# Allegro board TDI_KU5P_QSFP28_CXP_V001-20240805_1841.brd
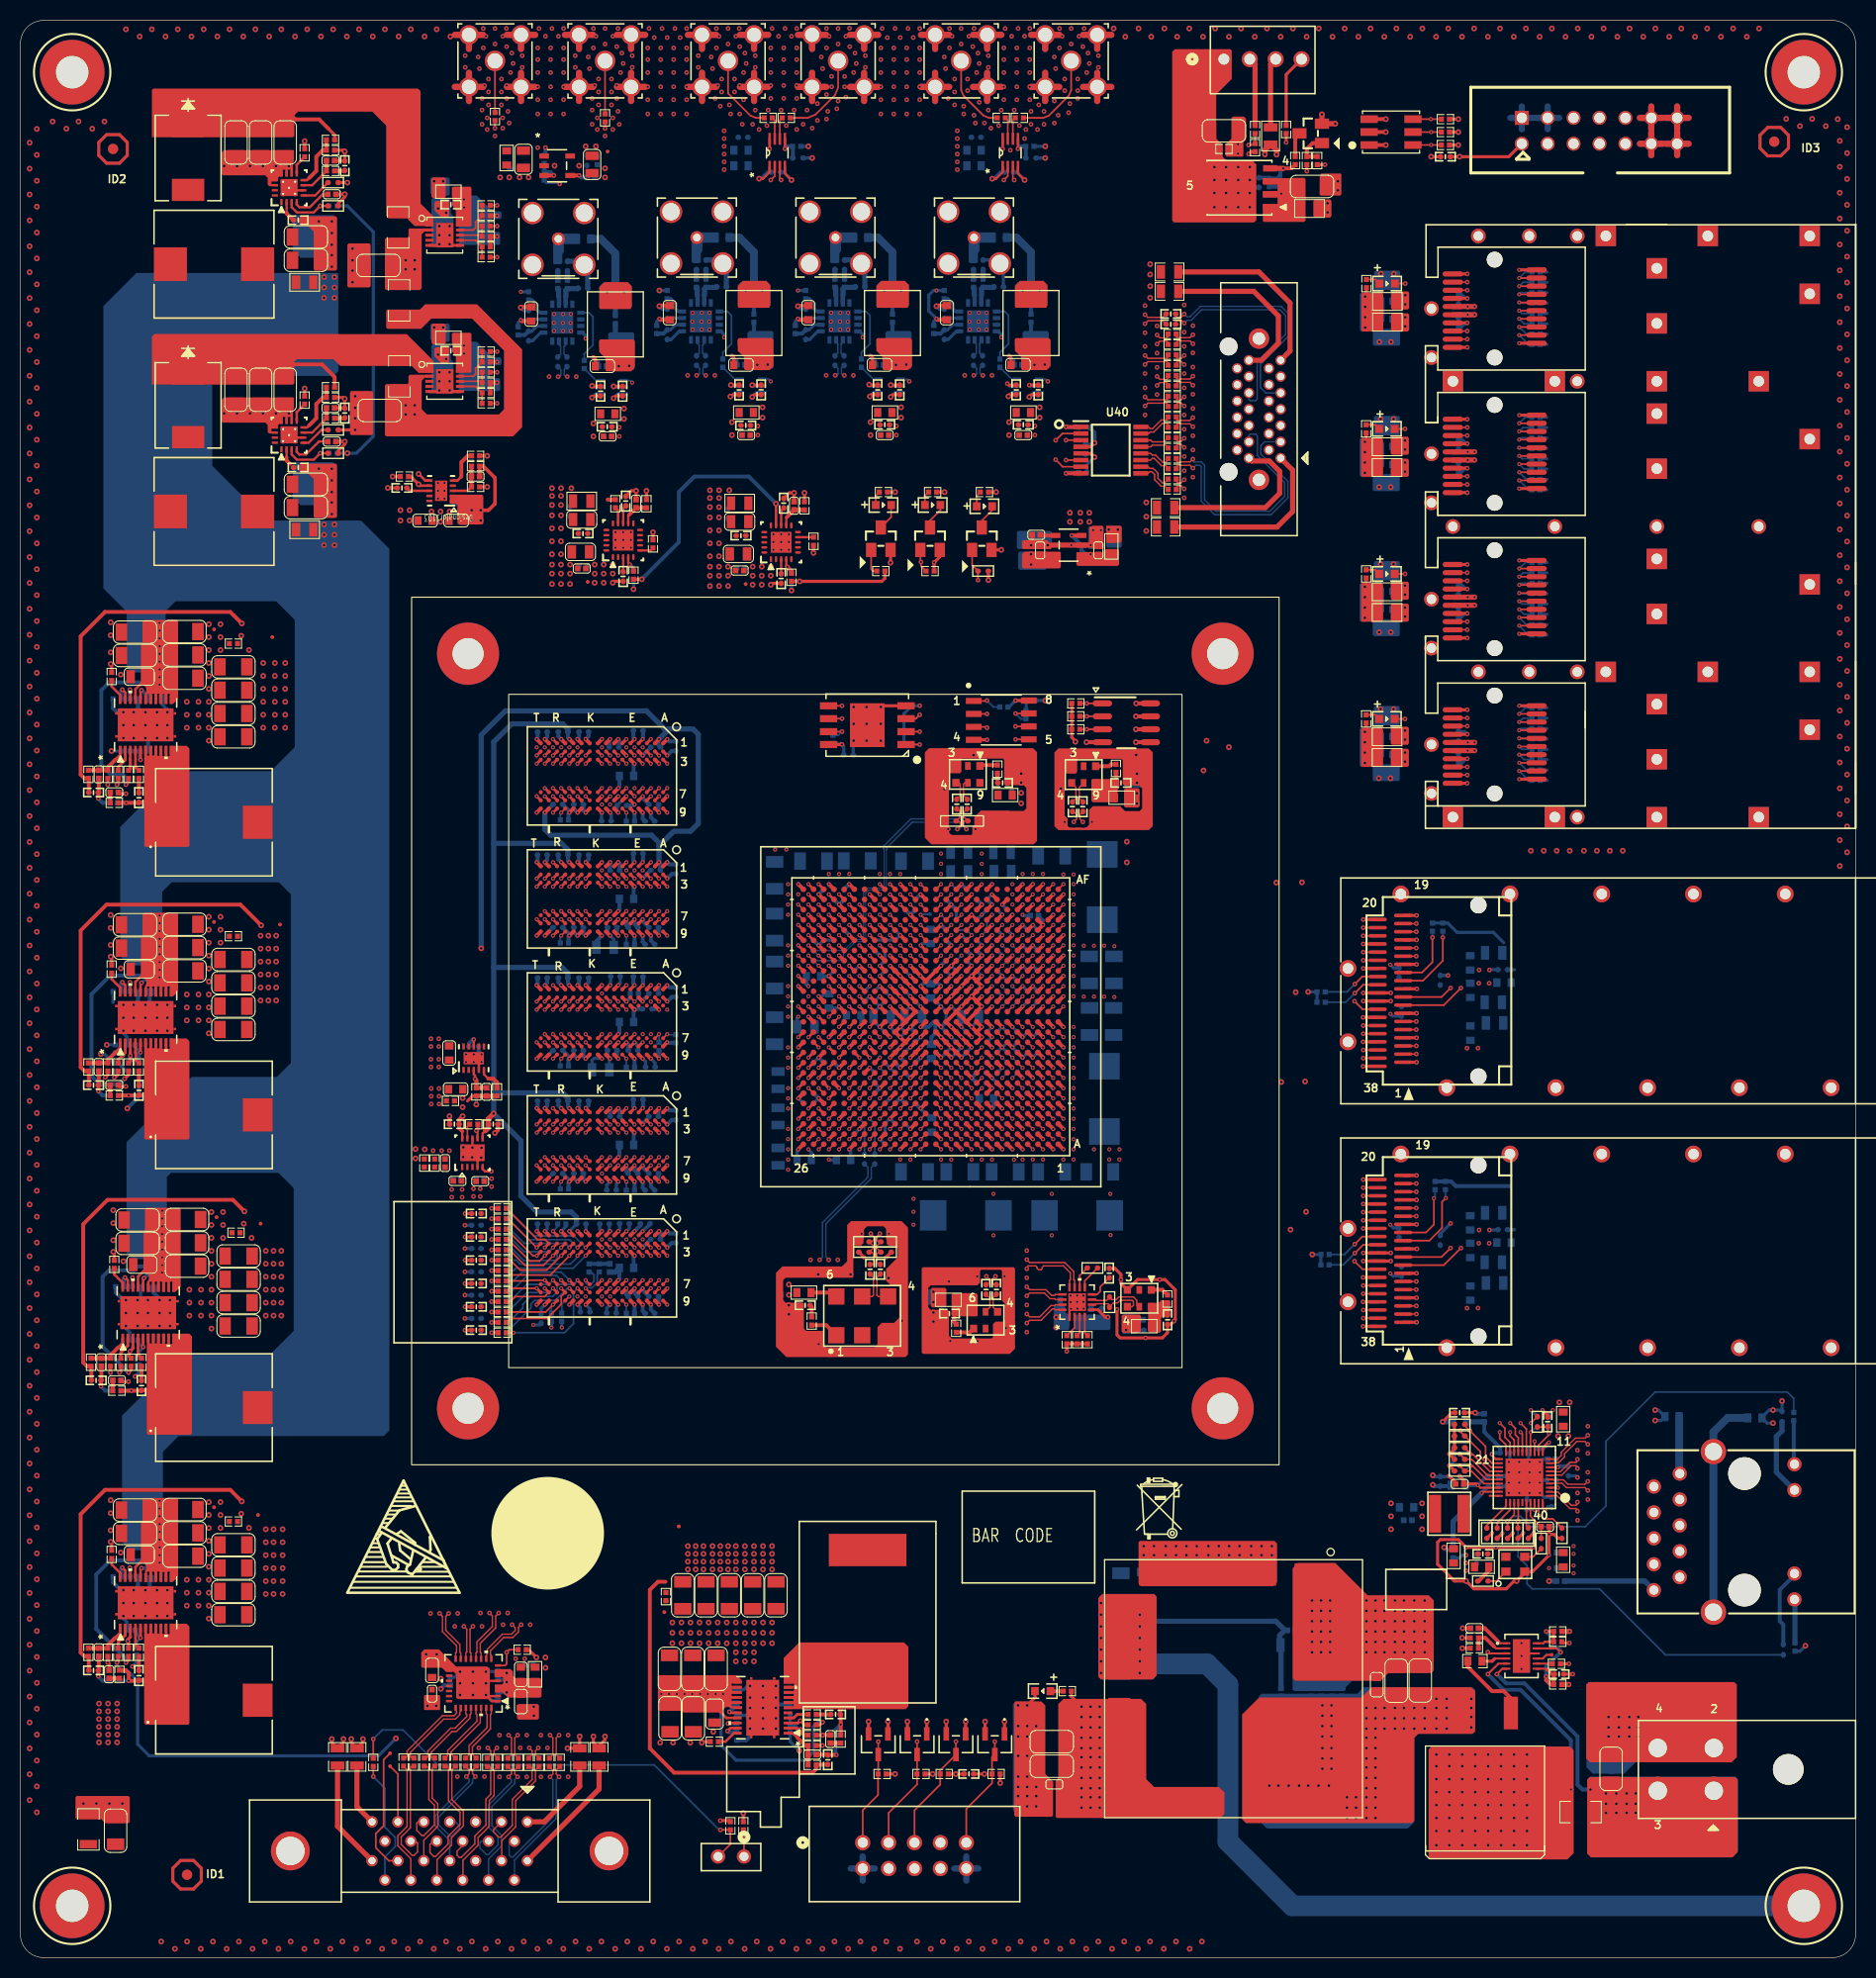
[diagram p0: board, top side]
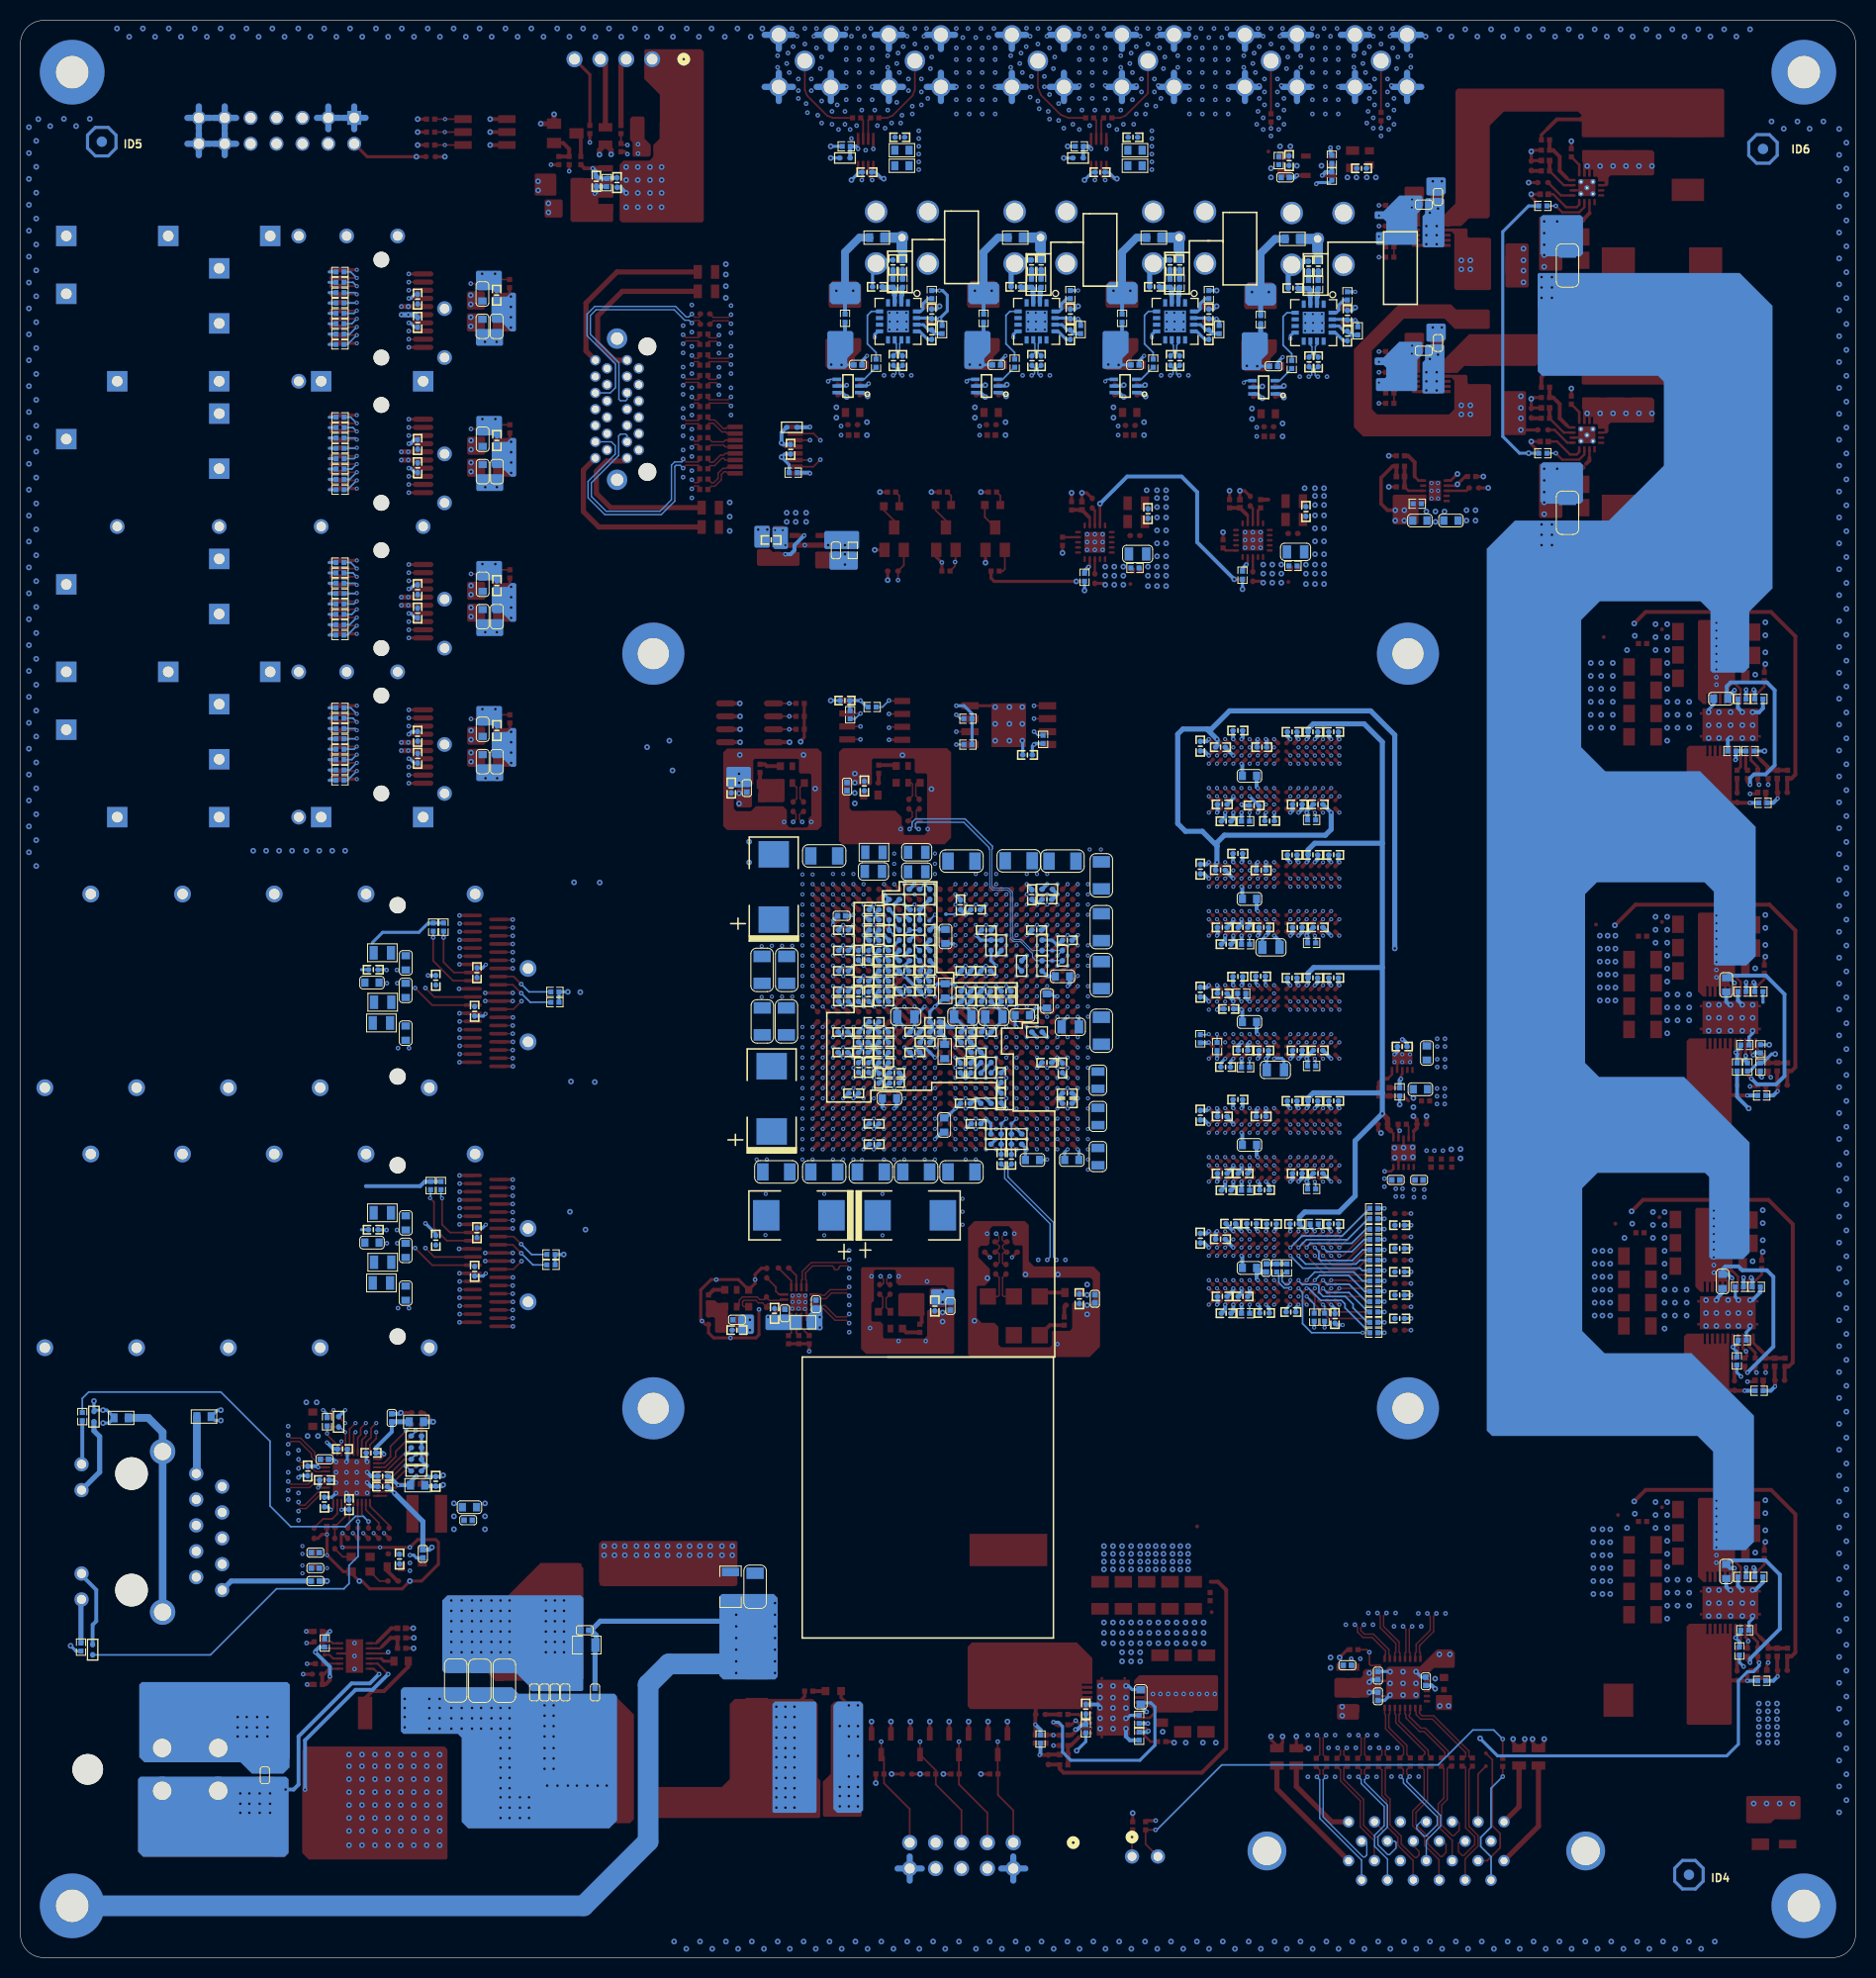
[diagram p1: board, bottom side, seen from below]

Outline 180 x 190 mm; copper layers: TOP, GND02, ART03, GND04, ART05, GND06, POWER07, POWER08, GND09, ART10, GND11, ART12, GND13, BOTTOM. Coordinates in mm from the lower left corner of the outline.
Outline path: 0,187.71 0,2.29 arc(0.67,0.67) 2.29,0 177.71,0 arc(179.33,0.67) 180,2.29 180,187.71 arc(179.33,189.33) 177.71,190 2.29,190 arc(0.67,189.33) 0,187.71

## Design rules (mm)
net group 1: nets CHA_MGTH_224_CLK0_N CHA_MGTH_224_CLK0_P
net group 2: nets CHA_MGTH_226_CLK1_N CHA_MGTH_226_CLK1_P
net group 3: nets RF_FPS_TRIGGER_N_C RF_FPS_TRIGGER_P_C
net group 6: nets TO_DATA_ACQ_1_CLK_N TO_DATA_ACQ_1_CLK_P
net group 100M_: nets 100M_N 100M_P
net group 156M25_: nets 156M25_N 156M25_P
net group CHA_MGTH224_RX2: nets CHA_MGTH224_RXN2 CHA_MGTH224_RXP2
net group CHA_MGTH224_RX3: nets CHA_MGTH224_RXN3 CHA_MGTH224_RXP3
net group CHA_MGTH_224_CLK0_: nets N26672572 N26672574
net group CHA_MGTH_225_CLK0_: nets N24547051 N24547053
net group CHA_MGTH_226_CLK0_: nets CHA_MGTH_226_CLK0_N CHA_MGTH_226_CLK0_P
net group CHA_MGTH_226_CLK1_: nets N29065928 N29065949
net group CHA_MGTH_227_CLK0_: nets N25151346 N25151349
net group CHA_QSFP0_RX0_: nets CHA_QSFP0_RX0_N CHA_QSFP0_RX0_P
net group CHA_QSFP0_RX1_: nets CHA_QSFP0_RX1_N CHA_QSFP0_RX1_P
net group CHA_QSFP0_RX2_: nets CHA_QSFP0_RX2_N CHA_QSFP0_RX2_P
net group CHA_QSFP0_RX3_: nets CHA_QSFP0_RX3_N CHA_QSFP0_RX3_P
net group CHA_QSFP0_TX0_: nets CHA_QSFP0_TX0_N CHA_QSFP0_TX0_P
net group CHA_QSFP0_TX1_: nets CHA_QSFP0_TX1_N CHA_QSFP0_TX1_P
net group CHA_QSFP0_TX2_: nets CHA_QSFP0_TX2_N CHA_QSFP0_TX2_P
net group CHA_QSFP0_TX3_: nets CHA_QSFP0_TX3_N CHA_QSFP0_TX3_P
net group CHA_QSFP1_RX0_: nets CHA_QSFP1_RX0_N CHA_QSFP1_RX0_P
net group CHA_QSFP1_RX1_: nets CHA_QSFP1_RX1_N CHA_QSFP1_RX1_P
net group CHA_QSFP1_RX2_: nets CHA_QSFP1_RX2_N CHA_QSFP1_RX2_P
net group CHA_QSFP1_RX3_: nets CHA_QSFP1_RX3_N CHA_QSFP1_RX3_P
net group CHA_QSFP1_TX0_: nets CHA_QSFP1_TX0_N CHA_QSFP1_TX0_P
net group CHA_QSFP1_TX1_: nets CHA_QSFP1_TX1_N CHA_QSFP1_TX1_P
net group CHA_QSFP1_TX2_: nets CHA_QSFP1_TX2_N CHA_QSFP1_TX2_P
net group CHA_QSFP1_TX3_: nets CHA_QSFP1_TX3_N CHA_QSFP1_TX3_P
net group CHA_QSPI_FLASH_CLK: nets CHA_QSPI_FLASH_CLK N251395121
net group CHA_SFP+_0_RXD_: nets CHA_SFP+_0_RXD_N CHA_SFP+_0_RXD_P
net group CHA_SFP+_0_TXD_: nets CHA_SFP+_0_TXD_N CHA_SFP+_0_TXD_P
net group CHA_SFP+_1_RXD_: nets CHA_SFP+_1_RXD_N CHA_SFP+_1_RXD_P
net group CHA_SFP+_1_TXD_: nets CHA_SFP+_1_TXD_N CHA_SFP+_1_TXD_P
net group CHA_SFP+_2_RXD_: nets CHA_SFP+_2_RXD_N CHA_SFP+_2_RXD_P
net group CHA_SFP+_2_TXD_: nets CHA_SFP+_2_TXD_N CHA_SFP+_2_TXD_P
net group CHA_SFP+_3_RXD_: nets CHA_SFP+_3_RXD_N CHA_SFP+_3_RXD_P
net group CHA_SFP+_3_TXD_: nets CHA_SFP+_3_TXD_N CHA_SFP+_3_TXD_P
net group DIFFPAIR0: nets N25440425 N25440426
net group DIFFPAIR10: nets N25442778 N25442780
net group DP_CHA_MGTH_225_CLK0: nets CHA_MGTH_225_CLK0_N CHA_MGTH_225_CLK0_P
net group DP_CHA_MGTH_227_CLK0: nets CHA_MGTH_227_CLK0_N CHA_MGTH_227_CLK0_P
net group DP_DDR4_200M: nets DDR4_200M_N DDR4_200M_P
net group DP_N2544693: nets N25446933 N25446935
net group DP_N2544723: nets N25447233 N25447235
net group DP_N28609886: nets N28609886 N28609924
net group DP_N28610050: nets N28610050 N28610073
net group DP_N28610104: nets N28610104 N28610127
net group DP_N28711150: nets N28711150 N28711180
net group LAN_MDI0_: nets LAN_MDI0_N LAN_MDI0_P
net group LAN_MDI1_: nets LAN_MDI1_N LAN_MDI1_P
net group LAN_MDI2_: nets LAN_MDI2_N LAN_MDI2_P
net group LAN_MDI3_: nets LAN_MDI3_N LAN_MDI3_P
net group RF_FPS_TRIGGER__C: nets N28609975 N28609998
net group RF_MOD_IN_FIXED__C: nets RF_MOD_IN_FIXED_N_C RF_MOD_IN_FIXED_P_C
net group RF_MOD_IN_VARIABLE__C: nets RF_MOD_IN_VARIABLE_N_C RF_MOD_IN_VARIABLE_P_C
net group RF_SYNC_N: nets N28609722 RF_SYNC_N
net group RF_SYNC_P: nets N28609702 RF_SYNC_P
net group TIMING_SPI_CLK__C: nets TIMING_SPI_CLK_N_C TIMING_SPI_CLK_P_C
net group TIMING_SPI_CSN_N: nets N28609682 TIMING_SPI_CSN_N
net group TIMING_SPI_CSN_P: nets N28609662 TIMING_SPI_CSN_P
net group TIMING_SPI_MISO_N: nets N28609780 TIMING_SPI_MISO_N
net group TIMING_SPI_MISO_P: nets N28609760 TIMING_SPI_MISO_P
net group TIMING_SPI_MOSI_N: nets N28609642 TIMING_SPI_MOSI_N
net group TIMING_SPI_MOSI_P: nets N28609622 TIMING_SPI_MOSI_P
net group TO_CAMERA_CLK_N: nets N28887978 TO_CAMERA_CLK_N
net group TO_CAMERA_CLK_P: nets N28887983 TO_CAMERA_CLK_P
net group TO_CAMERA_LVDS0_N: nets N28887982 TO_CAMERA_LVDS0_N
net group TO_CAMERA_LVDS0_P: nets N28887985 TO_CAMERA_LVDS0_P
net group TO_CAMERA_LVDS1_N: nets N28887976 TO_CAMERA_LVDS1_N
net group TO_CAMERA_LVDS1_P: nets N28887981 TO_CAMERA_LVDS1_P
net group TO_CAMERA_LVDS2_N: nets N28887987 TO_CAMERA_LVDS2_N
net group TO_CAMERA_LVDS2_P: nets N28887977 TO_CAMERA_LVDS2_P
net group TO_CAMERA_LVDS3_N: nets N28887988 TO_CAMERA_LVDS3_N
net group TO_CAMERA_LVDS3_P: nets N28887979 TO_CAMERA_LVDS3_P
net group TO_CAMERA_RSV0_N: nets N28922983 TO_CAMERA_RSV0_N
net group TO_CAMERA_RSV0_P: nets N28922987 TO_CAMERA_RSV0_P
net group TO_CAMERA_RSV1_N: nets N28922984 TO_CAMERA_RSV1_N
net group TO_CAMERA_RSV1_P: nets N28922988 TO_CAMERA_RSV1_P
net group TO_CAMERA_RSV2_N: nets N28922985 TO_CAMERA_RSV2_N
net group TO_CAMERA_RSV2_P: nets N28922981 TO_CAMERA_RSV2_P
net group TO_CAMERA_RSV3_N: nets N28922986 TO_CAMERA_RSV3_N
net group TO_CAMERA_RSV3_P: nets N28922982 TO_CAMERA_RSV3_P
net group TO_DATA_ACQ_1_CLK_: nets N24672320 N24672321
net group 12: nets VCC12V_IN_CON
net group 39OHM: nets CHA_FPGA_DDR4_C1_RESET
net group CLK: nets CLK_SEL
net group PWR: nets 1V2_ROVP 1V5_ROVP 1V8_ROVP 3V3_ROVP CHA_24V_1 CHA_24V_2 CHA_AGND CHA_DDR4_C1_VREF CHA_FPGA_POR_OVERRIDE CHA_MGTAVCC_GOOD CHA_MGTAVTT_GOOD CHA_VCCINT_GOOD DVDD10 DVDDRGMII GND_EARTH GND_FPGA_LAN VCC_1V5_GOOD VCC_1V8_GOOD VCC_3V3_GOOD VCCO_GOOD VREG_1 VREG_2 VREG_3 VREG_4 VREG_5

## Placement (name value [footprint] x y rotation side)
C1  0.1UF  [C0402_BGA]  83.8 86.31 90 bottom
C2  0.1UF  [C0402_BGA]  90.33 91.78 0 bottom
C3  0.47UF  [C0402_BGA]  90.33 90.78 0 bottom
C4  47uF  [C0805]  74.31 78.56 90 bottom
C5  22uF  [C0603]  80.74 78.23 0 bottom
C6  0.47UF  [C0402_BGA]  92.27 102.78 0 bottom
C7  0.1UF  [C0402_BGA]  81.22 117.96 0 bottom
C8  0.1UF  [C0402_BGA]  93.03 18.01 0 top
C9  22uF  [C0603]  89.4 81.66 270 bottom
C10  4.7UF  [C0402_BGA]  86.8 87.25 90 bottom
C11  0.47UF  [C0402_BGA]  87.8 87.25 90 bottom
C12  22uF  [C0603]  89.27 100.15 90 bottom
C13  4.7UF  [C0402_BGA]  86.33 102.78 180 bottom
C14  0.47UF  [C0402_BGA]  87.8 103.25 90 bottom
C15  0.1UF  [C0402_BGA]  99.13 123.29 0 bottom
C16  22uF  [C0603]  94.76 84.28 0 bottom
C17  4.7UF  [C0402_BGA]  87.33 83.78 180 bottom
C18  0.47UF  [C0402_BGA]  94.27 86.78 0 bottom
C19  0.1UF  [C0402_BGA]  139.77 176.63 180 top
C20  0.1UF  [C0402_BGA]  94.27 85.78 0 bottom
C21  47uF  [C0805]  92.09 108.41 180 bottom
C22  22uF  [C0603]  76.88 78.23 180 bottom
C23  4.7UF  [C0402_BGA]  83.8 84.31 270 bottom
C24  0.47UF  [C0402_BGA]  86.27 81.78 0 bottom
C25  0.1UF  [C0402_BGA]  84.34 67.51 270 top
C26  0.1UF  [C0402_BGA]  83.33 67.51 270 top
C27  0.1UF  [C0402_BGA]  83.8 78.31 90 bottom
C28  0.1UF  [C0402_BGA]  82.8 78.31 90 bottom
C29  47uF  [C0805]  74.31 86.06 90 bottom
C30  22uF  [C0603]  79.31 93.83 90 bottom
C31  4.7UF  [C0402_BGA]  77.33 84.78 180 bottom
C32  4.7UF  [C0402_BGA]  79.33 87.78 180 bottom
C33  0.47UF  [C0402_BGA]  77.33 99.78 180 bottom
C34  47uF  [C0805]  77.03 91.29 0 bottom
C35  22uF  [C0603]  81.73 92.43 0 bottom
C36  4.7UF  [C0402_BGA]  80.33 100.78 180 bottom
C37  4.7UF  [C0402_BGA]  85.27 100.78 0 bottom
C38  0.47UF  [C0402_BGA]  79.33 103.78 180 bottom
C39  0.1UF  [C0402_BGA]  91.84 113.13 270 top
C40  0.1UF  [C0402_BGA]  92.85 113.13 270 top
C41  47uF  [C0805]  74.31 82.5 270 bottom
C42  22uF  [C0603]  77.79 96.24 180 bottom
C43  4.7UF  [C0402_BGA]  80.8 104.25 90 bottom
C44  4.7UF  [C0402_BGA]  77.8 87.25 90 bottom
C45  0.47UF  [C0402_BGA]  77.33 83.78 180 bottom
C46  0.1UF  [C0402_BGA]  103.19 112.88 90 top
C47  0.1UF  [C0402_BGA]  104.21 112.88 90 top
C48  0.1UF  [C0402_BGA]  96.8 98.31 90 bottom
C49  0.1UF  [C0402_BGA]  97.8 98.31 90 bottom
C50  0.1UF  [C0402_BGA]  96.8 87.31 270 bottom
C51  0.1UF  [C0402_BGA]  96.8 94.25 90 bottom
C52  0.1UF  [C0402_BGA]  97.8 87.31 270 bottom
C53  0.1UF  [C0402_BGA]  97.8 94.25 90 bottom
C54  0.1UF  [C0402_BGA]  95.72 65.53 270 top
C55  0.1UF  [C0402_BGA]  94.71 65.53 270 top
C56  470uF  [CT7343]  92.73 72.8 180 bottom
C57  470uF  [CT7343]  103.65 72.8 0 bottom
C58  470uF  [CT7343]  106.11 105 90 bottom
C59  470uF  [CT7343]  106.31 84.23 90 bottom
C60  100UF  [C1206]  105.86 77.06 180 bottom
C61  100UF  [C1206]  73.98 96.37 90 bottom
C62  100UF  [C1206]  104.84 96.88 270 bottom
C63  100UF  [C1206]  107.25 96.88 270 bottom
C64  100UF  [C1206]  73.98 90.91 270 bottom
C65  100UF  [C1206]  87.7 77.06 180 bottom
C66  100UF  [C1206]  92.14 77.06 0 bottom
C67  47uF  [C0805]  93.16 92.28 180 bottom
C68  47uF  [C0805]  87.57 92.28 0 bottom
C69  4.7UF  [C0402_BGA]  86.27 88.78 0 bottom
C70  4.7UF  [C0402_BGA]  92.27 88.78 180 bottom
C71  4.7UF  [C0402_BGA]  91.27 94.78 180 bottom
C72  4.7UF  [C0402_BGA]  87.27 90.78 0 bottom
C73  4.7UF  [C0402_BGA]  93.33 96.78 180 bottom
C74  4.7UF  [C0402_BGA]  87.27 94.78 180 bottom
C75  4.7UF  [C0402_BGA]  87.27 93.78 0 bottom
C76  4.7UF  [C0402_BGA]  85.33 94.78 180 bottom
C77  47uF  [C0805]  92.09 106.5 180 bottom
C78  0.47UF  [C0402_BGA]  92.27 90.78 0 bottom
C79  0.47UF  [C0402_BGA]  85.33 96.78 180 bottom
C80  0.47UF  [C0402_BGA]  91.27 89.78 0 bottom
C81  0.47UF  [C0402_BGA]  87.27 96.78 180 bottom
C82  0.47UF  [C0402_BGA]  91.27 96.78 0 bottom
C83  0.47UF  [C0402_BGA]  87.27 89.78 0 bottom
C84  0.47UF  [C0402_BGA]  93.27 94.78 180 bottom
C85  0.47UF  [C0402_BGA]  91.33 95.78 0 bottom
C86  47uF  [C0805]  84.52 92.28 0 bottom
C87  47uF  [C0805]  96.33 106.53 180 bottom
C88  4.7UF  [C0402_BGA]  85.27 90.78 0 bottom
C89  4.7UF  [C0402_BGA]  83.33 94.78 180 bottom
C90  4.7UF  [C0402_BGA]  85.27 93.78 0 bottom
C91  4.7UF  [C0402_BGA]  83.33 93.78 180 bottom
C92  4.7UF  [C0402_BGA]  99.27 100.78 0 bottom
C93  4.7UF  [C0402_BGA]  99.27 98.78 0 bottom
C94  4.7UF  [C0402_BGA]  98.26 84.78 0 bottom
C95  4.7UF  [C0402_BGA]  96.27 81.78 0 bottom
C96  4.7UF  [C0402_BGA]  99.27 96.78 0 bottom
C97  0.22UF  [C0402_BGA]  99.33 90.78 180 bottom
C98  0.22UF  [C0402_BGA]  96.27 79.78 180 bottom
C99  0.22UF  [C0402_BGA]  99.33 88.78 180 bottom
C100  0.22UF  [C0402_BGA]  99.27 94.78 180 bottom
C101  0.22UF  [C0402_BGA]  99.27 93.78 180 bottom
C102  100UF  [C1206]  101.16 77.06 0 bottom
C103  100UF  [C1206]  107.23 91.82 270 bottom
C104  100UF  [C1206]  104.87 91.82 270 bottom
C105  100UF  [C1206]  101.16 108.05 180 bottom
C106  100UF  [C1206]  96.59 77.06 180 bottom
C107  10uF  [C0402]  99.46 102.18 0 bottom
C108  4.7UF  [C0402_BGA]  95.33 93.78 180 bottom
C109  4.7UF  [C0402_BGA]  97.27 95.78 0 bottom
C110  4.7UF  [C0402_BGA]  95.33 95.78 180 bottom
C111  4.7UF  [C0402_BGA]  95.33 96.78 180 bottom
C112  4.7UF  [C0402_BGA]  95.33 94.78 180 bottom
C113  4.7UF  [C0402_BGA]  95.33 98.78 180 bottom
C114  4.7UF  [C0402_BGA]  97.33 89.78 0 bottom
C115  4.7UF  [C0402_BGA]  95.33 87.78 180 bottom
C116  4.7UF  [C0402_BGA]  96.27 102.78 0 bottom
C117  4.7UF  [C0402_BGA]  96.27 101.78 0 bottom
C118  0.47UF  [C0402_BGA]  95.33 88.78 180 bottom
C119  0.47UF  [C0402_BGA]  96.27 91.78 0 bottom
C120  0.47UF  [C0402_BGA]  95.33 97.78 180 bottom
C121  0.47UF  [C0402_BGA]  95.33 89.78 180 bottom
C122  0.47UF  [C0402_BGA]  96.27 100.78 0 bottom
C123  0.22UF  [C0402_BGA]  96.27 99.78 180 bottom
C124  0.22UF  [C0402_BGA]  97.27 90.78 180 bottom
C125  0.22UF  [C0402_BGA]  97.33 88.78 180 bottom
C126  0.22UF  [C0402_BGA]  95.8 86.25 90 bottom
C127  0.22UF  [C0402_BGA]  95.33 90.78 0 bottom
C128  100UF  [C1206]  73.98 101.07 270 bottom
C129  100UF  [C1206]  77.79 107.54 0 bottom
C130  100UF  [C1206]  73.98 106.15 90 bottom
C131  100UF  [C1206]  82.08 107.57 180 bottom
C132  100UF  [C1206]  87.7 107.54 0 bottom
C133  4.7UF  [C0402_BGA]  62.3 106.65 180 bottom
C134  0.1UF  [C0402_BGA]  52.72 101.04 0 bottom
C135  47uF  [C0805]  57.34 99.09 0 bottom
C136  22uF  [C0603]  59.45 103.84 0 bottom
C137  4.7UF  [C0402_BGA]  51.2 108.15 180 bottom
C138  4.7UF  [C0402_BGA]  54.75 101.04 0 bottom
C139  0.47UF  [C0402_BGA]  61.74 99.39 0 bottom
C140  0.47UF  [C0402_BGA]  58.05 101.04 180 bottom
C141  0.47UF  [C0402_BGA]  58.31 106.63 180 bottom
C142  0.47UF  [C0402_BGA]  55.26 108.15 0 bottom
C143  68nF  [C0402_BGA]  62.12 101.04 180 bottom
C144  68nF  [C0402_BGA]  64.28 106.76 270 bottom
C145  68nF  [C0402_BGA]  60.59 108.28 180 bottom
C146  68nF  [C0402_BGA]  60.09 101.04 0 bottom
C147  0.1UF  [C0402_BGA]  53.23 108.15 180 bottom
C148  22uF  [C0603]  59.45 115.9 0 bottom
C149  4.7UF  [C0402_BGA]  54.75 113.11 0 bottom
C150  4.7UF  [C0402_BGA]  51.2 120.22 180 bottom
C151  0.47UF  [C0402_BGA]  55.26 120.22 0 bottom
C152  0.47UF  [C0402_BGA]  58.99 113 0 bottom
C153  0.47UF  [C0402_BGA]  58.23 118.72 180 bottom
C154  0.47UF  [C0402_BGA]  61.74 111.46 0 bottom
C155  68nF  [C0402_BGA]  64.28 118.82 270 bottom
C156  68nF  [C0402_BGA]  60.59 120.35 180 bottom
C157  68nF  [C0402_BGA]  62.12 113.11 180 bottom
C158  68nF  [C0402_BGA]  57.47 111.48 0 bottom
C159  4.7UF  [C0402_BGA]  62.3 118.72 180 bottom
C160  0.1UF  [C0402_BGA]  52.72 113.11 0 bottom
C161  0.1UF  [C0402_BGA]  53.23 120.22 180 bottom
C162  22uF  [C0603]  59.45 79.71 0 bottom
C163  4.7UF  [C0402_BGA]  51.2 84.02 180 bottom
C164  4.7UF  [C0402_BGA]  54.75 76.91 0 bottom
C165  0.47UF  [C0402_BGA]  57.98 75.29 180 bottom
C166  0.47UF  [C0402_BGA]  58.31 82.5 180 bottom
C167  0.47UF  [C0402_BGA]  55.26 84.02 0 bottom
C168  0.47UF  [C0402_BGA]  61.74 75.26 0 bottom
C169  68nF  [C0402_BGA]  62.12 76.91 180 bottom
C170  68nF  [C0402_BGA]  64.28 82.63 270 bottom
C171  68nF  [C0402_BGA]  60.09 76.91 0 bottom
C172  68nF  [C0402_BGA]  60.59 84.15 180 bottom
C173  4.7UF  [C0402_BGA]  62.12 82.5 180 bottom
C174  0.1UF  [C0402_BGA]  52.72 76.91 0 bottom
C175  4.7UF  [C0402_BGA]  62.12 94.56 180 bottom
C176  0.1UF  [C0402_BGA]  52.72 88.98 0 bottom
C177  0.1UF  [C0402_BGA]  53.23 84.02 180 bottom
C178  0.1UF  [C0402_BGA]  53.23 96.09 180 bottom
C179  47uF  [C0805]  56.91 87.07 0 bottom
C180  22uF  [C0603]  59.45 91.77 0 bottom
C181  4.7UF  [C0402_BGA]  54.75 88.98 0 bottom
C182  4.7UF  [C0402_BGA]  51.2 96.09 180 bottom
C183  0.47UF  [C0402_BGA]  55.26 96.09 0 bottom
C184  0.47UF  [C0402_BGA]  58.36 96.24 180 bottom
C185  0.47UF  [C0402_BGA]  61.48 93.04 180 bottom
C186  0.47UF  [C0402_BGA]  58.05 88.98 180 bottom
C187  68nF  [C0402_BGA]  60.09 88.98 0 bottom
C188  68nF  [C0402_BGA]  64.28 94.69 270 bottom
C189  68nF  [C0402_BGA]  61.79 87.35 0 bottom
C190  68nF  [C0402_BGA]  60.59 96.22 180 bottom
C191  22uF  [C0603]  59.45 67.64 0 bottom
C192  4.7UF  [C0402_BGA]  55.39 63.32 0 bottom
C193  4.7UF  [C0402_BGA]  51.2 71.96 180 bottom
C194  0.47UF  [C0402_BGA]  57.98 63.22 180 bottom
C195  0.47UF  [C0402_BGA]  59.25 71.98 0 bottom
C196  0.47UF  [C0402_BGA]  57.29 71.96 0 bottom
C197  0.47UF  [C0402_BGA]  61.74 63.2 0 bottom
C198  68nF  [C0402_BGA]  62.12 64.85 180 bottom
C199  68nF  [C0402_BGA]  60.09 64.85 0 bottom
C200  68nF  [C0402_BGA]  64.28 70.56 270 bottom
C201  68nF  [C0402_BGA]  61.28 71.98 180 bottom
C202  4.7UF  [C0402_BGA]  44.72 69.55 180 bottom
C203  4.7UF  [C0402_BGA]  44.72 62.69 180 bottom
C204  4.7UF  [C0402_BGA]  44.72 64.97 180 bottom
C205  4.7UF  [C0402_BGA]  44.72 67.26 180 bottom
C206  0.1UF  [C0402_BGA]  44.72 61.54 180 top
C207  4.7UF  [C0402_BGA]  42.56 81.74 0 top
C208  0.1UF  [C0402_BGA]  44.72 63.83 180 top
C209  1000PF  [C0402]  41.65 77.93 270 top
C210  0.1UF  [C0402_BGA]  44.72 66.12 180 top
C211  0.1UF  [C0402_BGA]  44.72 68.4 180 top
C212  0.1UF  [C0402_BGA]  44.72 70.69 180 top
C213  0.1UF  [C0402_BGA]  44.72 71.83 180 bottom
C214  0.1UF  [C0402_BGA]  44.72 72.97 180 top
C215  10uF  [C0402]  45.1 76.15 0 top
C216  10uF  [C0402]  45.1 76.28 0 bottom
C217  10uF  [C0402]  42.81 76.28 180 bottom
C218  10uF  [C0402]  42.87 76.17 180 top
C219  4.7UF  [C0402_BGA]  62.3 70.46 180 bottom
C220  0.1UF  [C0402_BGA]  51.07 62.69 270 bottom
C221  0.1UF  [C0402_BGA]  46.37 81.74 0 top
C222  0.1UF  [C0402_BGA]  55.01 71.96 0 bottom
C223  10nF  [C0402]  57.8 67.64 270 bottom
C224  22uF  [C0603]  145.52 70.12 180 bottom
C225  0.1UF  [C0402_BGA]  145.39 71.39 180 bottom
C226  22uF  [C0603]  142.21 69.36 90 bottom
C227  0.1UF  [C0402_BGA]  139.26 70.36 90 bottom
C228  22uF  [C0603]  142.2 72.06 270 bottom
C229  0.1UF  [C0402_BGA]  135.22 71.09 90 bottom
C230  22uF  [C0603]  142.21 65.17 270 bottom
C231  0.1UF  [C0402_BGA]  135.45 67.31 270 bottom
C232  22uF  [C0603]  145.52 95.63 180 bottom
C233  0.1UF  [C0402_BGA]  145.39 96.89 180 bottom
C234  22uF  [C0603]  142.21 94.86 90 bottom
C235  0.1UF  [C0402_BGA]  139.26 95.86 90 bottom
C236  22uF  [C0603]  142.2 97.56 270 bottom
C237  0.1UF  [C0402_BGA]  135.22 96.6 90 bottom
C238  22uF  [C0603]  142.21 90.67 270 bottom
C239  0.1UF  [C0402_BGA]  135.45 92.81 270 bottom
C240  0.1UF  [C0402_BGA]  141.04 117.62 270 bottom
C241  22uF  [C0603]  134.66 134.7 90 bottom
C242  0.1UF  [C0402_BGA]  141.04 134.16 90 bottom
C243  22uF  [C0603]  133.26 117.3 270 bottom
C244  0.1UF  [C0402_BGA]  133.26 120.35 90 bottom
C245  22uF  [C0603]  134.66 120.47 90 bottom
C246  0.1UF  [C0402_BGA]  141.04 119.78 90 bottom
C247  22uF  [C0603]  134.66 117.3 270 bottom
C248  22uF  [C0603]  133.26 131.52 270 bottom
C249  0.1UF  [C0402_BGA]  133.26 134.57 90 bottom
C250  22uF  [C0603]  134.66 131.52 270 bottom
C251  0.1UF  [C0402_BGA]  141.04 131.87 270 bottom
C252  22uF  [C0603]  133.26 145.75 270 bottom
C253  0.1UF  [C0402_BGA]  133.26 148.79 90 bottom